# KiCad board mainboard.kicad_pcb (continued)
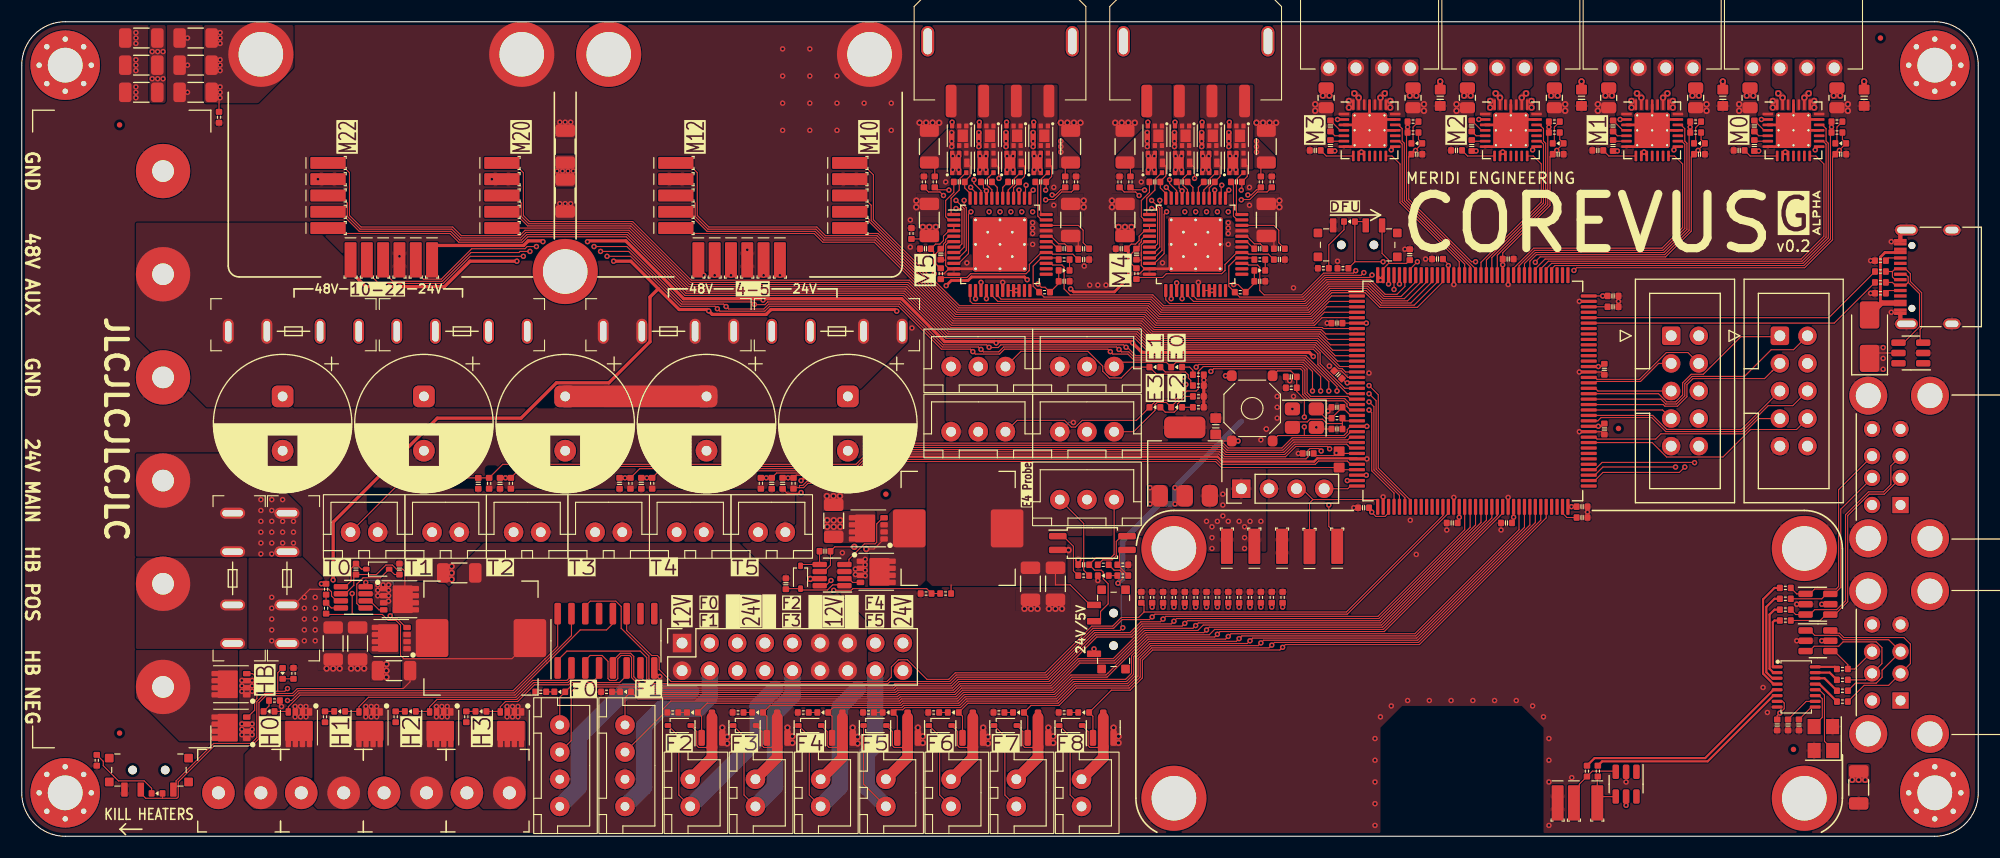
[diagram p0: board, top side]
## Routing (per net, layer and track width the routed paths; a pad name or vN(x,y) marks a point on that pad's centre or on a via; arc(x,y) is an arc through that point) (continued)
+24V: length 36.5
  Top w0.1: C20.2 v1(159.8,63.1) ; 98.65,16.75 v1(98.65,17.25) ; v2(72.55,23.7) 72.58,23.73 U5.7 ; D38.1 84.45,9.2 84.45,3.8 J33.1 ; U15.7 28.96,21.68 28.5,22.14 28.5,22.5 28.25,22.75 26.5,22.75 26,22.25 v1(26,22) 25.75,22 25.05,21.3 ; J35.1 96.45,3.8 96.45,9.2 D41.1 ; C30.2 v1(133.8,63.1) ; D39.1 90.45,9.2 90.45,3.8 J34.1 ; C35.2 v1(120.8,63.1) ; C25.2 v1(146.8,63.1)
  Top w0.5: 130.5,68.78 v2(130.5,69.5) ; 156.5,68.78 v2(156.5,69.5) ; 169.5,68.78 v2(169.5,69.5) ; 143.5,68.78 v2(143.5,69.5)
  vias: v1(23,22) v1(23,21) v1(23,20) v1(23,19) v1(23,18) v1(26,21) v1(26,20) v1(26,19) v1(26,18) v1(27,22) v1(27,21) v1(27,20) v1(27,19) v1(27,18) v2(74.1,29.1) v2(74.1,28.5) v2(74.7,29.1) v2(74.7,28.5) v2(75.3,29.1) v2(75.3,28.5) v2(122.1,67.7) v2(122.1,67.1) v2(125.9,67.7) v2(125.9,67.1) v2(135.1,67.7) v2(135.1,67.1) v2(138.9,67.7) v2(138.9,67.1) v2(148.1,67.7) v2(148.1,67.1) v2(151.9,67.7) v2(151.9,67.1) v2(161.1,67.7) v2(161.1,67.1) v2(164.9,67.7) v2(164.9,67.1)
GND: length 78.4
  Top w0.1: 103.3,52.25 103,52.55 103,53.05 ; 103.3,52.25 U11.11 ; 103.3,52.25 102.85,51.8 102.4,51.8 ; v2(96.3,26.35) 96.28,26.37 OC1.2 ; U1.94 145.35,42.75 C81.2 ; 120.5,37.59 C2.1 119.25,37.5 v1(119.1,37.65) ; R92.2 v1(27.58,23.25) ; NT1.1 v1(123.75,34.75) ; U3.2 v1(163.3,18) ; 85,53.05 85,54.45 85.3,54.75 U12.6 ; 85,53.05 84.55,53.05 ; 85,53.05 85,52.55 85.3,52.25 ; U1.16 122,42.25 121.4,42.85 C44.2 ; 103,53.05 103,54.45 103.3,54.75 U11.6 ; 103,53.05 102.55,53.05 ; U1.83 145.35,37.25 C80.2 ; C15.2 v1(120.1,47.25) ; 85.3,52.25 U12.11 ; 85.3,52.25 84.85,51.8 84.4,51.8 ; v1(23.9,11.95) 23.75,12.1 R61.2 ; C46.2 v1(117.45,35.25) ; C11.2 109.9,37 110.5,36.4 SW3.1 v1(111.9,36.4) ; R7.1 v1(170.1,53) ; v1(58.7,14.7) 58.19,15.21 U14.8 ; C38.2 v1(116.65,41.95) ; R6.1 v1(170.1,50) ; U2.2 v1(163.3,21.37) ; C5.2 v2(97.2,25.45)
  Top w0.25: U7.25 U7.29 ; U10.20 125,66 U10.29 123.5,65.5 U10.3 ; U8.25 U8.29 ; U9.7 135.5,63.5 U9.29 ; U10.18 U10.29 ; U8.7 148.5,63.5 U8.29 ; U7.3 162.5,65.5 U7.29 164,66 U7.20 ; U11.11 U11.49 ; U7.18 U7.29 ; U8.18 U8.29 ; U8.20 151,66 U8.29 149.5,65.5 U8.3 ; U9.3 136.5,65.5 U9.29 138,66 U9.20 ; U10.29 122.5,63.5 U10.7 ; U9.18 U9.29 ; U7.29 161.5,63.5 U7.7 ; U11.19 v1(108.25,51) ; U12.19 v1(90.25,51) ; U9.25 U9.29 ; U12.11 U12.49 ; U10.25 U10.29
  Top w0.3: 34.75,52 v1(34.75,53.4) ; 45.25,60.5 v1(43.25,60.5) ; 66.75,52 v1(66.75,54) ; 29.25,60.5 v1(27.25,60.5)
  Top w0.4: J1.A1 172.83,47.42 173,47.25 ; J1.A12 172.83,55.58 173,55.75
  In1.Cu w0.1: v1(119.1,37.65) 118.6,38.15 117.85,38.15 116.9,39.1 v1(116.9,39.35)
  vias: v1(10.5,74) v1(10.5,73.5) v1(10.5,73) v1(10.5,71.5) v1(10.5,71) v1(10.5,70.5) v1(10.5,69) v1(10.5,68.5) v1(10.5,68) v1(15.25,73.5) v1(15.25,71) v1(15.25,68.5) v1(20.25,14.35) v1(20.25,13.85) v1(20.25,13.35) v1(20.25,10.35) v1(20.25,9.85) v1(20.25,9.35) v1(21.2,14.35) v1(21.2,13.85) v1(21.2,13.35) v1(21.2,10.35) v1(21.2,9.85) v1(21.2,9.35) v1(25.15,11.95) v1(25.15,11) v1(25.65,11.95) v1(25.65,11) v1(26.15,11.95) v1(26.15,11) v1(31.65,11.95) v1(31.65,11) v1(32.15,11.95) v1(32.15,11) v1(32.65,11.95) v1(32.65,11) v1(32.75,23.15) v1(32.75,22.65) v1(32.75,22.15) v1(33.25,23.15) v1(33.75,23.15) v1(33.75,22.65) v1(33.75,22.15) v1(33.75,21.65) v1(38.15,11.95) v1(38.15,11) v1(38.65,11.95) v1(38.65,11) v1(39.15,11.95) v1(39.15,11) v1(44.65,11.95) v1(44.65,11) v1(45.15,11.95) v1(45.15,11) v1(45.65,11.95) v1(45.65,11) v1(49.5,65.75) v1(49.5,58.25) v1(50,65.75) v1(50,58.25) v1(50.5,65.75) v1(50.5,58.25) v1(70,72.5) v1(70,70) v1(70,67.5) v1(70,65) v1(72.5,72.5) v1(72.5,70) v1(72.5,67.5) v1(72.5,65) v1(75,70) v1(75,67.5) v1(75,65) v1(75.5,26.1) v1(76.7,24.6) v1(76.7,24.1) v1(77.5,67.5) v1(77.6,25.5) v1(77.6,25) v1(77.6,24.5) v1(77.6,24) v1(80,67.5) v1(80,65) v1(81.75,56.75) v1(81.75,54.25) v1(81.9,46.8) v1(85,60.25) v1(86.95,52.8) v1(93,54.5) v1(94.95,59.75) v1(94.95,58.1) v1(97.75,52.5) v1(98.25,50.75) v1(99,50.75) v1(99,23.55) v1(99.75,50.75) v1(103,60.25) v1(103.8,32.1) v1(103.8,30.6) v1(104.95,52.8) v1(110.75,42.4) v1(111,54.5) v1(112.95,59.75) v1(112.95,58.1) v1(117,50.5) v1(120.18,39.15) v1(120.3,43.3) v1(121.05,52.95) v1(122.55,30.25) v1(123.95,42.65) v1(124.5,9) v1(124.5,7) v1(124.5,5) v1(124.5,3) v1(124.5,1) v1(125,11) v1(125.25,31.25) v1(126,12) v1(127.25,54.05) v1(127.5,12.5) v1(127.75,29.1) v1(128.3,25.95) v1(129.15,53.15) v1(129.5,12.5) v1(131.1,28.2) v1(131.5,12.5) v1(131.75,50.8) v1(131.75,31.2) v1(133.5,12.5) v1(135.5,12.5) v1(136.1,28.2) v1(136.75,50.8) v1(136.75,31.2) v1(137.5,12.5) v1(139,12) v1(140,11) v1(140.5,9) v1(140.5,7) v1(140.5,5) v1(140.5,1) v1(142.6,5.4) v1(143.3,49.25) v1(143.3,42.75) v1(143.3,37.25) v1(144.05,29.85) v1(146.9,49.25) v1(147.6,5) v1(160.2,13.7) v1(160.6,11.4) v1(172,54.75) v1(172,48.25) v2(28.05,15.45) v2(28.65,15.45) v2(29.25,15.45) v2(30.3,15.45) v2(30.9,15.45) v2(31.5,15.45) v2(33.55,15.85) v2(33.55,15.25) v2(33.55,14.65) v2(39.55,24.85) v2(39.55,24.25) v2(39.55,23.65) v2(64.45,10) v2(64.9,9.15) v2(64.9,8.55) v2(70.45,10) v2(70.9,9.2) v2(70.9,8.6) v2(74.08,31.33) v2(74.67,31.33) v2(75.28,31.33) v2(76.45,10) v2(76.9,9.15) v2(76.9,8.55) v2(82.3,58.53) v2(82.3,57.93) v2(82.45,10) v2(82.6,65.7) v2(82.9,9.2) v2(82.9,8.6) v2(83.2,65.7) v2(83.8,65.7) v2(84.4,65.7) v2(88.45,10) v2(88.9,9.15) v2(88.9,8.55) v2(92.25,20.95) v2(92.85,20.95) v2(93.45,20.95) v2(94.45,10) v2(94.5,20.95) v2(94.9,9.2) v2(94.9,8.6) v2(95.1,20.95) v2(95.6,65.7) v2(95.7,20.95) v2(96.2,65.7) v2(96.8,65.7) v2(97.4,65.7) v2(97.7,58.53) v2(97.7,57.93) v2(100.3,58.53) v2(100.3,57.93) v2(100.45,10) v2(100.6,65.7) v2(100.9,9.2) v2(100.9,8.6) v2(101.2,65.7) v2(101.8,65.7) v2(102.4,65.7) v2(113.6,65.7) v2(114.2,65.7) v2(114.8,65.7) v2(115.4,65.7) v2(115.7,58.53) v2(115.7,57.93) v2(119,67.4) v2(119,66.8) v2(129,67.4) v2(129,66.8) v2(132,67.4) v2(132,66.8) v2(142,67.4) v2(142,66.8) v2(145,67.4) v2(145,66.8) v2(155,67.4) v2(155,66.8) v2(158,67.4) v2(158,66.8) v2(168,67.4) v2(168,66.8)
VDDA: length 53.2
  Top w0.1: R56.2 71.1,32.1 NT2.1 71.93,32.1 72.33,32.5 77.4,32.5 79.4,34.5 109.83,34.5 110.38,33.95 FB1.2 121.4,33.75 U1.33
VSSA: length 55.4
  Top w0.1: C78.1 70.42,31.58 71.62,31.58 v1(71.7,31.65)
  Top w0.2: v1(71.7,32.75) 71.9,32.95 77.22,32.95 79.22,34.95 110.02,34.95 110.47,34.5 118.9,34.5 119.2,34.8 122.79,34.8 U1.31
  In1.Cu w0.2: v1(71.7,32.75) v1(71.7,31.65)
/_{M0}Dir: length 38.6
  Top w0.1: U7.19 165.65,65.5 166,65.15 166,64.01 166.2,63.81 166.2,55.08 163.87,52.75 140.75,52.75 140.25,52.25 U1.113
/_{M0}Step: length 37.4
  Top w0.1: U1.114 139.75,52.25 140.45,52.95 163.78,52.95 166,55.17 166,63.73 165.73,64 U7.16
/_{M0}UART: length 36.6
  Top w0.1: U7.14 165.06,62.64 165.8,61.9 165.8,55.25 163.7,53.15 140.15,53.15 139.25,52.25 U1.115
/_{M0}~{En}: length 45.5
  Top w0.1: U7.2 v1(160.05,66) ; R22.2 v1(166.5,65.3) R97.2 166.4,64.7 166.4,55 163.95,52.55 141.05,52.55 140.75,52.25 U1.112
  In1.Cu w0.1: v1(160.05,66) 160.07,65.98 165.82,65.98 v1(166.5,65.3)
/_{M1}Dir: length 27.5
  Top w0.1: U8.19 152.65,65.5 153,65.15 153,64.01 153.2,63.81 153.2,55.88 151.07,53.75 139.27,53.75 138.25,52.73 U1.117
/_{M1}Step: length 26
  Top w0.1: U8.16 152.73,64 153,63.73 153,55.97 150.98,53.95 139.18,53.95 137.75,52.52 U1.118
/_{M1}UART: length 25.2
  Top w0.1: U1.119 137.25,52.3 139.1,54.15 150.9,54.15 152.8,56.05 152.8,61.9 152.06,62.64 U8.14
/_{M1}~{En}: length 34.5
  Top w0.1: U8.2 v1(147.05,66) ; U1.116 138.75,52.95 139.35,53.55 151.15,53.55 153.4,55.8 153.4,64.7 R100.2 v1(153.5,65.3) R28.2
  In1.Cu w0.1: v1(147.05,66) 147.07,65.98 152.82,65.98 v1(153.5,65.3)
/_{M2}Dir: length 16.4
  Top w0.1: U9.19 139.65,65.5 140,65.15 140,64.01 140.2,63.81 140.2,58.23 135.25,53.28 U1.123
/_{M2}Step: length 15
  Top w0.1: U9.16 139.73,64 140,63.73 140,58.32 134.75,53.07 U1.124
/_{M2}UART: length 14.1
  Top w0.1: U9.14 139.06,62.64 139.8,61.9 139.8,58.4 134.25,52.85 U1.125
/_{M2}~{En}: length 23.4
  Top w0.1: U1.122 135.75,53.5 140.4,58.15 140.4,64.7 R102.2 v1(140.5,65.3) R101.2 ; U9.2 v1(134.05,66)
  In1.Cu w0.1: v1(140.5,65.3) 139.82,65.98 134.07,65.98 v1(134.05,66)
/_{M3}Dir: length 16.9
  Top w0.1: U10.19 126.65,65.5 127,65.15 127,64.01 127.2,63.81 127.2,58.52 133.25,52.47 U1.127
/_{M3}Step: length 15.2
  Top w0.1: U10.16 126.73,64 127,63.73 127,58.43 132.75,52.68 U1.128
/_{M3}UART: length 14.1
  Top w0.1: U10.14 126.06,62.64 126.8,61.9 126.8,58.35 132.25,52.9 U1.129
/_{M3}~{En}: length 24.1
  Top w0.1: R103.2 v1(127.5,65.3) R105.2 127.4,64.7 127.4,58.6 133.75,52.25 U1.126 ; U10.2 v1(121.05,66)
  In1.Cu w0.1: v1(121.05,66) 121.07,65.98 126.82,65.98 v1(127.5,65.3)
/_{M4}Diag1: length 19.4
  Top w0.1: v1(122.72,52.08) 122.5,51.85 119.77,51.85 117.77,49.85 114.3,49.85 113.9,50.25 113.9,52.4 113.7,52.6 112.85,52.6 112.7,52.75 U11.27 ; U1.140 v1(126.75,50.85)
  In2.Cu w0.1: v1(122.72,52.08) 122.97,52.33 123.65,52.33 123.88,52.1 125.5,52.1 v1(126.75,50.85)
/_{M4}Dir: length 21.1
  Top w0.1: U11.18 107.75,49.8 108.1,49.45 117.94,49.45 119.94,51.45 124,51.45 v1(124.22,51.68) ; U1.142 v1(125.75,50.85)
  In2.Cu w0.1: v1(125.75,50.85) 125.45,50.55 125.03,50.55 124.22,51.36 v1(124.22,51.68)
/_{M4}Step: length 23.4
  Top w0.1: U11.17 107.25,49.8 107.8,49.25 118.02,49.25 120.02,51.25 124.09,51.25 125.44,49.9 126.53,49.9 127.25,50.63 U1.139
/_{M4}~{CS}: length 26.6
  Top w0.1: U1.137 128.25,51.05 126.9,49.7 125.36,49.7 124.01,51.05 120.1,51.05 118.1,49.05 105.6,49.05 105.25,49.4 U11.13
/_{M4}~{En}: length 23.1
  Top w0.1: U1.141 v1(126.25,50.35) ; v1(123.47,51.9) 123.22,51.65 119.85,51.65 117.85,49.65 112.05,49.65 111.05,50.65 111.05,52.5 111.8,53.25 U11.28 113.25,53.25 R98.2
  In2.Cu w0.1: v1(126.25,50.35) 124.95,50.35 123.47,51.83 v1(123.47,51.9)
/_{M5}Diag1: length 39.9
  Top w0.1: U1.136 128.75,51.05 127.2,49.5 125.27,49.5 123.92,50.85 120.19,50.85 118.19,48.85 105.06,48.85 104.06,49.85 96.45,49.85 95.9,50.4 95.9,52.4 95.7,52.6 94.85,52.6 94.7,52.75 U12.27
/_{M5}Dir: length 43.8
  Top w0.1: U12.18 89.75,49.8 90.1,49.45 103.89,49.45 104.89,48.45 118.35,48.45 120.35,50.45 123.76,50.45 125.11,49.1 127.8,49.1 129.75,51.05 U1.134
/_{M5}Step: length 45
  Top w0.1: U12.17 89.25,49.8 89.8,49.25 103.81,49.25 104.81,48.25 118.43,48.25 120.43,50.25 123.68,50.25 125.03,48.9 128.1,48.9 130.25,51.05 U1.133
/_{M5}~{CS}: length 48
  Top w0.1: U1.132 130.75,51.05 128.4,48.7 124.94,48.7 123.59,50.05 120.52,50.05 118.52,48.05 104.73,48.05 103.73,49.05 87.47,49.05 87.25,49.28 U12.13
/_{M5}~{En}: length 44.4
  Top w0.1: U1.135 129.25,51.05 127.5,49.3 125.19,49.3 124.32,50.17 ; 124.32,50.17 123.84,50.65 120.27,50.65 118.27,48.65 104.97,48.65 103.97,49.65 94.05,49.65 93.05,50.65 93.05,52.5 93.8,53.25 U12.28 95.25,53.25 R99.2 ; 124.32,50.17 124.35,50.14
/_{M10}Dir: length 51.8
  Top w0.1: U1.2 120.28,49.25 118.68,47.65 104.56,47.65 103.56,48.65 86.19,48.65 78.15,56.69 78.15,58.1 77.25,59
/_{M10}Step: length 54.7
  Top w0.1: 77.25,62 78.35,60.9 78.35,56.77 86.27,48.85 103.64,48.85 104.64,47.85 118.6,47.85 120.5,49.75 U1.1
/_{M10}~{CS}: length 49.7
  Top w0.1: 77.25,55.9 77.25,56 77.75,55.5 78.77,55.5 86.02,48.25 103.39,48.25 104.39,47.25 118.85,47.25 119.85,48.25 U1.4
/_{M10}~{En}: length 50.4
  Top w0.1: 77.25,57.5 77.95,56.8 77.95,56.61 86.11,48.45 103.48,48.45 104.48,47.45 118.77,47.45 120.07,48.75 U1.3
/_{M12}Dir: length 67.4
  Top w0.1: 61.25,59 61.95,58.3 61.95,57.08 63.13,55.9 73.07,55.9 73.87,55.1 78.61,55.1 85.86,47.85 103.23,47.85 104.23,46.85 119.65,46.85 119.75,46.75 U1.7
/_{M12}Step: length 70.4
  Top w0.1: U1.5 119.63,47.75 118.93,47.05 104.31,47.05 103.31,48.05 85.94,48.05 78.69,55.3 73.95,55.3 73.15,56.1 63.22,56.1 62.15,57.17 62.15,61.1 61.25,62
/_{M12}~{CS}: length 65.8
  Top w0.1: 61.25,56 61.75,55.5 72.9,55.5 73.7,54.7 78.44,54.7 85.69,47.45 103.06,47.45 104.06,46.45 119.48,46.45 120.18,45.75 U1.9
/_{M12}~{En}: length 66.2
  Top w0.1: U1.8 119.97,46.25 119.57,46.65 104.15,46.65 103.15,47.65 85.77,47.65 78.52,54.9 73.78,54.9 72.98,55.7 63.05,55.7 61.25,57.5
/_{M20}Dir: length 84.2
  Top w0.1: U1.11 120.62,44.75 119.32,46.05 103.9,46.05 102.9,47.05 85.53,47.05 81.58,51 61.52,51 56.12,56.4 46.63,56.4 45.95,57.08 45.95,58.3 45.25,59
/_{M20}Step: length 86.8
  Top w0.1: U1.10 120.4,45.25 119.4,46.25 103.98,46.25 102.98,47.25 85.61,47.25 81.66,51.2 61.6,51.2 56.2,56.6 46.72,56.6 46.15,57.17 46.15,61.1 45.25,62
/_{M20}~{CS}: length 82.7
  Top w0.1: U1.13 121.05,43.75 119.15,45.65 103.73,45.65 102.73,46.65 85.36,46.65 81.41,50.6 61.35,50.6 55.95,56 45.25,56
/_{M20}~{En}: length 83.1
  Top w0.1: U1.12 120.83,44.25 119.23,45.85 103.81,45.85 102.81,46.85 85.44,46.85 81.49,50.8 61.43,50.8 56.03,56.2 46.55,56.2 45.25,57.5
/_{M22}Dir: length 101.4
  Top w0.1: U1.15 121.79,42.75 121.48,43.05 121.18,43.05 118.99,45.25 103.57,45.25 102.57,46.25 85.19,46.25 81.24,50.2 61.19,50.2 55.79,55.6 46.39,55.6 45.89,55.1 40.37,55.1 39.57,55.9 31.13,55.9 29.95,57.08 29.95,58.3 29.25,59
/_{M22}Step: length 104.1
  Top w0.1: U1.14 121.57,43.25 121.57,43.25 121.27,43.25 119.07,45.45 103.65,45.45 102.65,46.45 85.28,46.45 81.33,50.4 61.27,50.4 55.87,55.8 46.3,55.8 45.8,55.3 40.45,55.3 39.65,56.1 31.22,56.1 30.15,57.17 30.15,61.1 29.25,62
/_{M22}~{CS}: length 100.9
  Top w0.1: U1.19 121.93,40.75 119.25,43.43 119.25,44.42 118.82,44.85 103.4,44.85 102.4,45.85 85.03,45.85 81.08,49.8 61.02,49.8 55.62,55.2 46.55,55.2 46.05,54.7 40.2,54.7 39.4,55.5 29.75,55.5 29.25,56
/_{M22}~{En}: length 101.3
  Top w0.1: U1.18 121.71,41.25 119.45,43.51 119.45,44.5 118.9,45.05 103.48,45.05 102.48,46.05 85.11,46.05 81.16,50 61.1,50 55.7,55.4 46.47,55.4 45.97,54.9 40.28,54.9 39.48,55.7 31.05,55.7 29.25,57.5
/BOOT0: length 12.8
  Top w0.1: 122.65,52.9 v1(125.25,52.9) ; 122.65,52.9 D1.2 123.65,56.6 ; 122.65,52.9 R1.1 ; v1(128.4,52.9) 127.75,52.25 U1.138
  In2.Cu w0.1: v1(125.25,52.9) v1(128.4,52.9)
/Btn_En1: length 7.7
  Top w0.1: U1.91 144.76,41.25 145.01,41 J28.5
/Btn_En2: length 8.3
  Top w0.1: J28.3 150.59,43.54 148.93,41.88 144.88,41.88 144.75,41.75 U1.92
/Btn_Enc: length 23.6
  Top w0.1: J13.2 163.01,44.8 160.95,44.8 158.49,42.34 153.67,42.34 153,41.67 153,40.56 152.24,39.8 151.25,39.8 150.8,40.25 U1.89
/Buzzer: length 21.1
  Top w0.1: U1.90 150.58,40.75 151.33,40 152.16,40 152.8,40.64 152.8,41.75 153.59,42.54 154.7,42.54 158.16,46 161.67,46 J13.1
/E0: length 36.7
  Top w0.1: J4.1 100.9,43.65 105.3,43.65 D6.1 106.2,43.65 117.9,43.65 118.75,42.8 v1(118.75,41) ; v1(123.95,39.25) 124.2,39 124.2,33.65 126.25,31.6 U1.40
  In2.Cu w0.1: v1(118.75,41) 119.4,40.35 122.85,40.35 v1(123.95,39.25)
/E1: length 38.2
  Top w0.1: U1.20 122.25,40.25 122,40.5 118.6,40.5 118.25,40.85 118.25,43.02 117.82,43.45 108.3,43.45 v1(108.05,43.2) ; v1(106.9,42.3) 106.65,42.55 104.4,42.55 D7.1 102.15,43.2 101.15,42.2 100.07,42.2 99.45,42.82 99.45,43.28 98.08,44.65 91.93,44.65 90.5,43.23
  In2.Cu w0.1: v1(106.9,42.3) 107.42,42.3 108.05,42.93 v1(108.05,43.2)
/E2: length 29.2
  Top w0.1: J6.1 102.3,37.25 104.25,39.2 104.25,39.73 104.47,39.95 105.3,39.95 D8.1 105.75,39.55 107.2,41 108.05,41 108.25,41.2 108.25,42.8 108.7,43.25 117.73,43.25 118.05,42.93 118.05,40.77 118.52,40.3 121.71,40.3 122.26,39.75 U1.21
/E3: length 38.6
  Top w0.1: 90.5,37.23 91.57,38.3 95.93,38.3 96.56,37.68 96.94,37.68 97.57,38.3 102.55,38.3 D25.1 103.75,39.51 104.39,40.15 106.07,40.15 107.1,41.18 v1(107.1,41.6) ; v1(109.4,42.8) 109.65,43.05 117.65,43.05 117.85,42.85 117.85,40.68 118.43,40.1 121.63,40.1 121.93,39.8 121.93,39.58 122.25,39.25 U1.22
  In2.Cu w0.1: v1(107.1,41.6) 107.1,41.7 108.2,42.8 v1(109.4,42.8)
/F0: length 98.3
  Top w0.1: R67.1 v1(108,21.1) ; U1.56 134.25,28.88 125.02,19.65 108.25,19.65 v1(108,19.4) 107.75,19.15 103.22,19.15 100.42,16.35 97.18,16.35 94.68,13.85 86.39,13.85 85.79,13.25 80.67,13.25 80.47,13.05 57.39,13.05 56.49,13.95 50.65,13.95 D5.2 49.5,12.8 J14.4
  In2.Cu w0.1: v1(108,21.1) v1(108,19.4)
/F0_FG: length 98.7
  Top w0.1: J14.3 50.55,8.8 50.55,13.3 51,13.75 56.4,13.75 57.3,12.85 80.55,12.85 80.75,13.05 85.87,13.05 86.47,13.65 94.77,13.65 97.27,16.15 100.5,16.15 103.3,18.95 108.2,18.95 108.7,19.45 125.1,19.45 134.75,29.1 U1.57
/F0_V+: length 19.2
  Bottom w1.5: J14.1 51.25,4.5 51.25,9.15 55.45,13.35 61.59,13.35
/F1: length 93.2
  Top w0.1: J16.4 55.5,12.75 D26.2 56.7,12.65 80.64,12.65 80.84,12.85 85.95,12.85 86.55,13.45 94.85,13.45 97.35,15.95 100.58,15.95 103.38,18.75 108.75,18.75 v1(109,19) 109.25,19.25 125.18,19.25 135.25,29.32 U1.58 ; R68.1 v1(109,21.1)
  In2.Cu w0.1: v1(109,19) v1(109,21.1)
/F1_FG: length 90.4
  Top w0.1: J16.3 58.97,11.23 58.97,11.7 59.72,12.45 80.72,12.45 80.92,12.65 86.04,12.65 86.64,13.25 94.93,13.25 96.53,14.85 99.75,14.85 99.9,15 99.91,15 103.46,18.55 109.25,18.55 109.75,19.05 125.27,19.05 135.75,29.53 U1.59
/F1_V+: length 17.5
  Bottom w1.5: 63.29,15.05 63.29,12.79 62.25,11.75 58.85,11.75 57.25,10.15 57.25,4.5 J16.1
/F2_Gate: length 87.6
  Top w0.1: R71.1 v1(110,21.1) ; U1.60 136.25,29.75 125.35,18.85 110.25,18.85 v1(110,18.6) 109.75,18.35 103.55,18.35 99.85,14.65 96.61,14.65 95.01,13.05 86.72,13.05 86.12,12.45 81,12.45 80.8,12.25 63.05,12.25 D28.2 62.55,11.05 Q22.1
  In2.Cu w0.1: v1(110,21.1) v1(110,18.6)
/F2_V+: length 22.4
  Top w0.1: J17.1 60.45,3.8 60.45,9.2 D30.1
  Bottom w1.5: 69.31,13.6 67.7,11.99 67.7,8.95 J17.1
/F3_Gate: length 85.2
  Top w0.1: R72.1 v1(111,21.1) ; U1.63 137.75,28.23 128.17,18.65 111.25,18.65 v1(111,18.4) 110.75,18.15 103.63,18.15 102.1,16.62 102.1,15 101.55,14.45 96.7,14.45 95.1,12.85 86.8,12.85 86.2,12.25 81.09,12.25 80.89,12.05 68.85,12.05 D29.2 68.55,11.05 Q27.1
  In2.Cu w0.1: v1(111,18.4) v1(111,21.1)
/F3_V+: length 22
  Top w0.1: J18.1 66.45,3.8 66.45,9.2 D31.1
  Bottom w1.5: 70.91,15.05 70.91,12.94 69.3,11.33 69.3,4.55 J18.1
/F4_Gate: length 79.7
  Top w0.1: Q28.1 74.55,11.05 D32.2 74.65,11.85 80.97,11.85 81.17,12.05 86.28,12.05 86.88,12.65 95.18,12.65 96.78,14.25 101.64,14.25 102.3,14.91 102.3,16.54 103.71,17.95 111.75,17.95 v1(112,18.2) 112.25,18.45 128.25,18.45 138.25,28.45 U1.64 ; R73.1 v1(112,21.1)
  In2.Cu w0.1: v1(112,21.1) v1(112,18.2)
/F4_V+: length 20.5
  Top w0.1: J19.1 72.45,3.8 72.45,9.2 D36.1
  Bottom w1.5: J19.1 75.25,4.5 75.25,11.9 76.93,13.58
/F5_Gate: length 74.3
  Top w0.1: Q29.1 80.55,11.05 D33.2 80.45,11.65 81.05,11.65 81.25,11.85 86.37,11.85 86.97,12.45 95.26,12.45 96.86,14.05 101.72,14.05 102.5,14.83 102.5,16.46 103.79,17.75 112.75,17.75 v1(113,18) 113.25,18.25 128.34,18.25 138.75,28.66 U1.65 ; R74.1 v1(113,21.1)
  In2.Cu w0.1: v1(113,18) v1(113,21.1)
/F5_V+: length 21.6
  Top w0.1: J32.1 77.45,4.8 D37.1
  Bottom w1.5: J32.1 77.75,4.5 77.75,7.6 78.53,8.38 78.53,15.05
/F6_Gate: length 68.9
  Top w0.1: R83.1 v1(114,21.1) ; U1.66 139.25,28.88 128.42,18.05 114.25,18.05 v1(114,17.8) 113.75,17.55 103.88,17.55 102.7,16.37 102.7,14.75 101.8,13.85 96.95,13.85 95.35,12.25 87.05,12.25 D34.2 86.55,11.05 Q30.1
  In2.Cu w0.1: v1(114,21.1) v1(114,17.8)
/F7_Gate: length 63.5
  Top w0.1: R84.1 v1(115,21.1) ; U1.67 139.75,29.1 128.5,17.85 115.25,17.85 v1(115,17.6) 114.75,17.35 103.96,17.35 102.9,16.29 102.9,14.67 101.88,13.65 97.03,13.65 95.43,12.05 92.85,12.05 D35.2 92.55,11.05 Q31.1
  In2.Cu w0.1: v1(115,17.6) v1(115,21.1)
/F8_Gate: length 58
  Top w0.1: Q32.1 98.55,11.05 D40.2 100.25,13.45 101.97,13.45 103.1,14.58 103.1,16.21 104.04,17.15 115.75,17.15 v1(116,17.4) 116.25,17.65 128.58,17.65 140.25,29.32 U1.68 ; R85.1 v1(116,21.1)
  In2.Cu w0.1: v1(116,21.1) v1(116,17.4)
/H0: length 89.4
  Top w0.1: U14.11 55.66,18.95 57.95,16.65 58.47,16.65 58.64,16.47 58.64,15.36 59.75,14.25 79.6,14.25 80,14.65 80,15.59 80.66,16.25 81.48,16.25 83.28,14.45 85.28,14.45 85.88,15.05 94.15,15.05 98.45,19.35 100.37,19.35 101.17,20.15 102.75,20.15 103.25,20.65 ; 103.25,20.65 103.25,21.25 R64.1 ; 103.25,20.65 121.87,20.65 130.75,29.53 U1.49
/H0_Gate: length 35.5
  Top w0.1: 54.39,20.25 54.39,19.58 53.8,19 51.38,19 48.33,15.95 48.32,15.95 45.37,13 25.6,13 24.53,11.93 Q24.4 24.47,11.5 D10.2
/H1: length 99.1
  Top w0.1: U14.3 51.84,16.2 52.3,16.65 53.39,16.65 53.94,16.1 53.94,14.53 54.11,14.35 54.66,14.35 54.83,14.53 54.83,16.34 55.15,16.65 55.93,16.65 56.11,16.47 56.11,14.61 57.47,13.25 80.39,13.25 80.59,13.45 85.7,13.45 86.3,14.05 94.6,14.05 98.9,18.35 102.13,18.35 103.13,19.35 106.75,19.35 v1(107,19.6) 107.25,19.85 124.94,19.85 133.75,28.66 U1.55 ; R14.1 v1(107,21.1)
  In2.Cu w0.1: v1(107,21.1) v1(107,19.6)
/H1_Gate: length 22.3
  Top w0.1: D9.2 30.97,11.5 Q23.4 31.03,11.93 31.9,12.8 45.46,12.8 47.01,14.35 50.15,14.35 50.4,14.6
/H2: length 92.1
  Top w0.1: U14.5 54.39,16.17 55.07,16.85 56.01,16.85 56.31,16.56 56.31,14.7 57.55,13.45 80.31,13.45 80.51,13.65 85.62,13.65 86.22,14.25 94.5,14.25 98.8,18.55 102.05,18.55 103.05,19.55 105.75,19.55 v1(106,19.8) 106.25,20.05 124.85,20.05 133.25,28.45 U1.54 ; R60.1 v1(106,21.1)
  In2.Cu w0.1: v1(106,21.1) v1(106,19.8)
/H2_Gate: length 18.4
  Top w0.1: 53,14.7 52.65,14.35 50.43,14.35 50.23,14.15 47.09,14.15 45.54,12.6 38.2,12.6 37.53,11.93 Q25.4 37.47,11.5 D11.2
/H3: length 86.7
  Top w0.1: R62.1 v1(105,21.1) ; U14.7 56.92,14.69 57.97,13.65 80.22,13.65 80.42,13.85 85.54,13.85 86.14,14.45 94.42,14.45 98.72,18.75 101.97,18.75 102.97,19.75 104.75,19.75 v1(105,20) 105.25,20.25 124.77,20.25 132.75,28.23 U1.53
  In2.Cu w0.1: v1(105,21.1) v1(105,20)
/H3_Gate: length 14.4
  Top w0.1: D12.2 43.97,11.5 Q26.4 44.03,11.93 44.5,12.4 45.62,12.4 47.17,13.95 50.32,13.95 50.52,14.15 55,14.15 55.5,14.65
/HB: length 94.2
  Top w0.1: U1.50 131.25,29.75 121.95,20.45 104.25,20.45 v1(104,20.2) 103.75,19.95 101.25,19.95 100.45,19.15 98.55,19.15 94.25,14.85 85.97,14.85 85.37,14.25 79.88,14.25 79.68,14.05 58.15,14.05 57.7,14.5 57.7,16.6 55.15,19.15 55.15,21.16 54.66,21.65 52.3,21.65 52.05,21.4 52.05,20.71 U14.14 ; R66.1 v1(104,21.1)
  In2.Cu w0.1: v1(104,21.1) v1(104,20.2)
/HB_Gate: length 41.9
  Top w0.1: 21.15,11.34 20.79,10.98 Q1.4 ; 50.58,20.25 50.58,18.48 48.25,16.15 48.24,16.15 45.29,13.2 25.52,13.2 24.82,12.5 v1(24.45,12.5) ; Q2.4 21.24,14.98 21.63,14.59 21.63,13.35 ; 21.63,13.35 21.63,12.68 21.42,12.48 21.42,11.61 21.16,11.35 ; 21.63,13.35 24.2,13.35 v1(24.45,13.6) ; 23.55,13.35 23.55,15.05 D2.2
  In1.Cu w0.1: v1(24.45,13.6) v1(24.45,12.5)
/LCD_D4: length 19.6
  Top w0.1: J13.5 158.21,37.46 151.33,37.46 150.04,38.75 U1.86
/LCD_D5: length 22.3
  Top w0.1: J13.6 162.94,39.65 160.68,39.65 158.29,37.26 151.25,37.26 149.96,38.55 145.3,38.55 145,38.25 U1.85
/LCD_D6: length 18.4
  Top w0.1: U1.82 144.75,36.75 144.93,36.58 150.32,36.58 150.81,37.06 158.37,37.06 159.77,38.46 J13.7
/LCD_D7: length 22.1
  Top w0.1: U1.81 150,36.25 151.33,34.92 156.52,34.92 159.05,37.45 163.28,37.45 J13.8
/LCD_En: length 19.9
  Top w0.1: J13.3 161.04,42.84 161.04,42.84 160.34,42.14 153.76,42.14 153.2,41.58 153.2,40.47 152.33,39.6 151.17,39.6 151.02,39.75 U1.88
/Motor 0 (TMC2208)/BRA:
  vias: v2(164,68) v2(164.4,68.4) v2(166.7,68.2) v2(167.3,68.2)
/Motor 0 (TMC2208)/BRB:
  vias: v2(158.7,68.2) v2(159.3,68.2) v2(161.6,68.4) v2(162,68)
/Motor 1 (TMC2208)/BRA:
  vias: v2(151,68) v2(151.4,68.4) v2(153.7,68.2) v2(154.3,68.2)
/Motor 1 (TMC2208)/BRB:
  vias: v2(145.7,68.2) v2(146.3,68.2) v2(148.6,68.4) v2(149,68)
/Motor 2 (TMC2208)/BRA:
  vias: v2(138,68) v2(138.4,68.4) v2(140.7,68.2) v2(141.3,68.2)
/Motor 2 (TMC2208)/BRB:
  vias: v2(132.7,68.2) v2(133.3,68.2) v2(135.6,68.4) v2(136,68)
/Motor 3 (TMC2208)/BRA:
  vias: v2(125,68) v2(125.4,68.4) v2(127.7,68.2) v2(128.3,68.2)
/Motor 3 (TMC2208)/BRB:
  vias: v2(119.7,68.2) v2(120.3,68.2) v2(122.6,68.4) v2(123,68)
/Motor 4 (TMCx160)/CA1: length 1.7
  Top w0.1: C47.1 108.25,59.75 U11.42
/Motor 4 (TMCx160)/CA2: length 4.2
  Top w0.1: U11.35 111.83,56.75 111.47,57.11 111.47,60.03 C49.2
/Motor 4 (TMCx160)/CB1: length 4.4
  Top w0.1: U11.2 103.3,56.75 103,57.05 103,58.53 103.75,59.28 C48.1
/Motor 4 (TMCx160)/CB2: length 1.7
  Top w0.1: U11.43 107.75,59.75 C50.2
/Motor 4 (TMCx160)/HA1: length 2.8
  Top w0.1: U11.41 108.75,59.5 109.25,60 109.25,60.48 109.87,61.1 Q6.3
/Motor 4 (TMCx160)/HA2: length 4.6
  Top w0.1: U11.36 111.75,57.25 111.75,60.48 112.37,61.1 Q4.3
/Motor 4 (TMCx160)/HB1: length 4.4
  Top w0.1: Q10.3 104.87,61.1 104.25,60.48 104.25,59.5 103.5,58.75 103.5,57.25
/Motor 4 (TMCx160)/HB2: length 2.8
  Top w0.1: U11.44 107.25,59.53 106.98,59.8 106.97,59.8 106.82,59.95 106.82,60.55 106.97,60.7 106.97,60.7 107.38,61.1 Q8.3
/Motor 4 (TMCx160)/LA1: length 8.2
  Top w0.1: Q7.3 v1(108.6,65.75) ; U11.39 v1(109.75,59.5)
  In1.Cu w0.1: v1(109.75,59.5) 108.1,61.15 108.1,65.25 v1(108.6,65.75)
/Motor 4 (TMCx160)/LA2: length 8.9
  Top w0.1: U11.38 110.35,58.85 110.35,59.9 v1(110.4,59.95) ; Q5.3 v1(111.1,65.75)
  In1.Cu w0.1: v1(111.1,65.75) 112.15,64.7 112.15,61.2 110.9,59.95 v1(110.4,59.95)
/Motor 4 (TMCx160)/LB1: length 9.1
  Top w0.1: U11.47 105.75,59.28 105.3,59.73 v1(105.3,59.75) ; Q11.3 v1(103.6,65.75)
  In1.Cu w0.1: v1(105.3,59.75) 104.55,59.75 103.1,61.2 103.1,65.25 v1(103.6,65.75)
/Motor 4 (TMCx160)/LB2: length 9.2
  Top w0.1: U11.46 106.25,59.45 105.6,60.1 v1(105.6,60.45) ; Q9.3 v1(106.1,65.75)
  In1.Cu w0.1: v1(106.1,65.75) 107.15,64.7 107.15,61.22 106.38,60.45 v1(105.6,60.45)